# KiCad board vme-wren.kicad_pcb (continued)
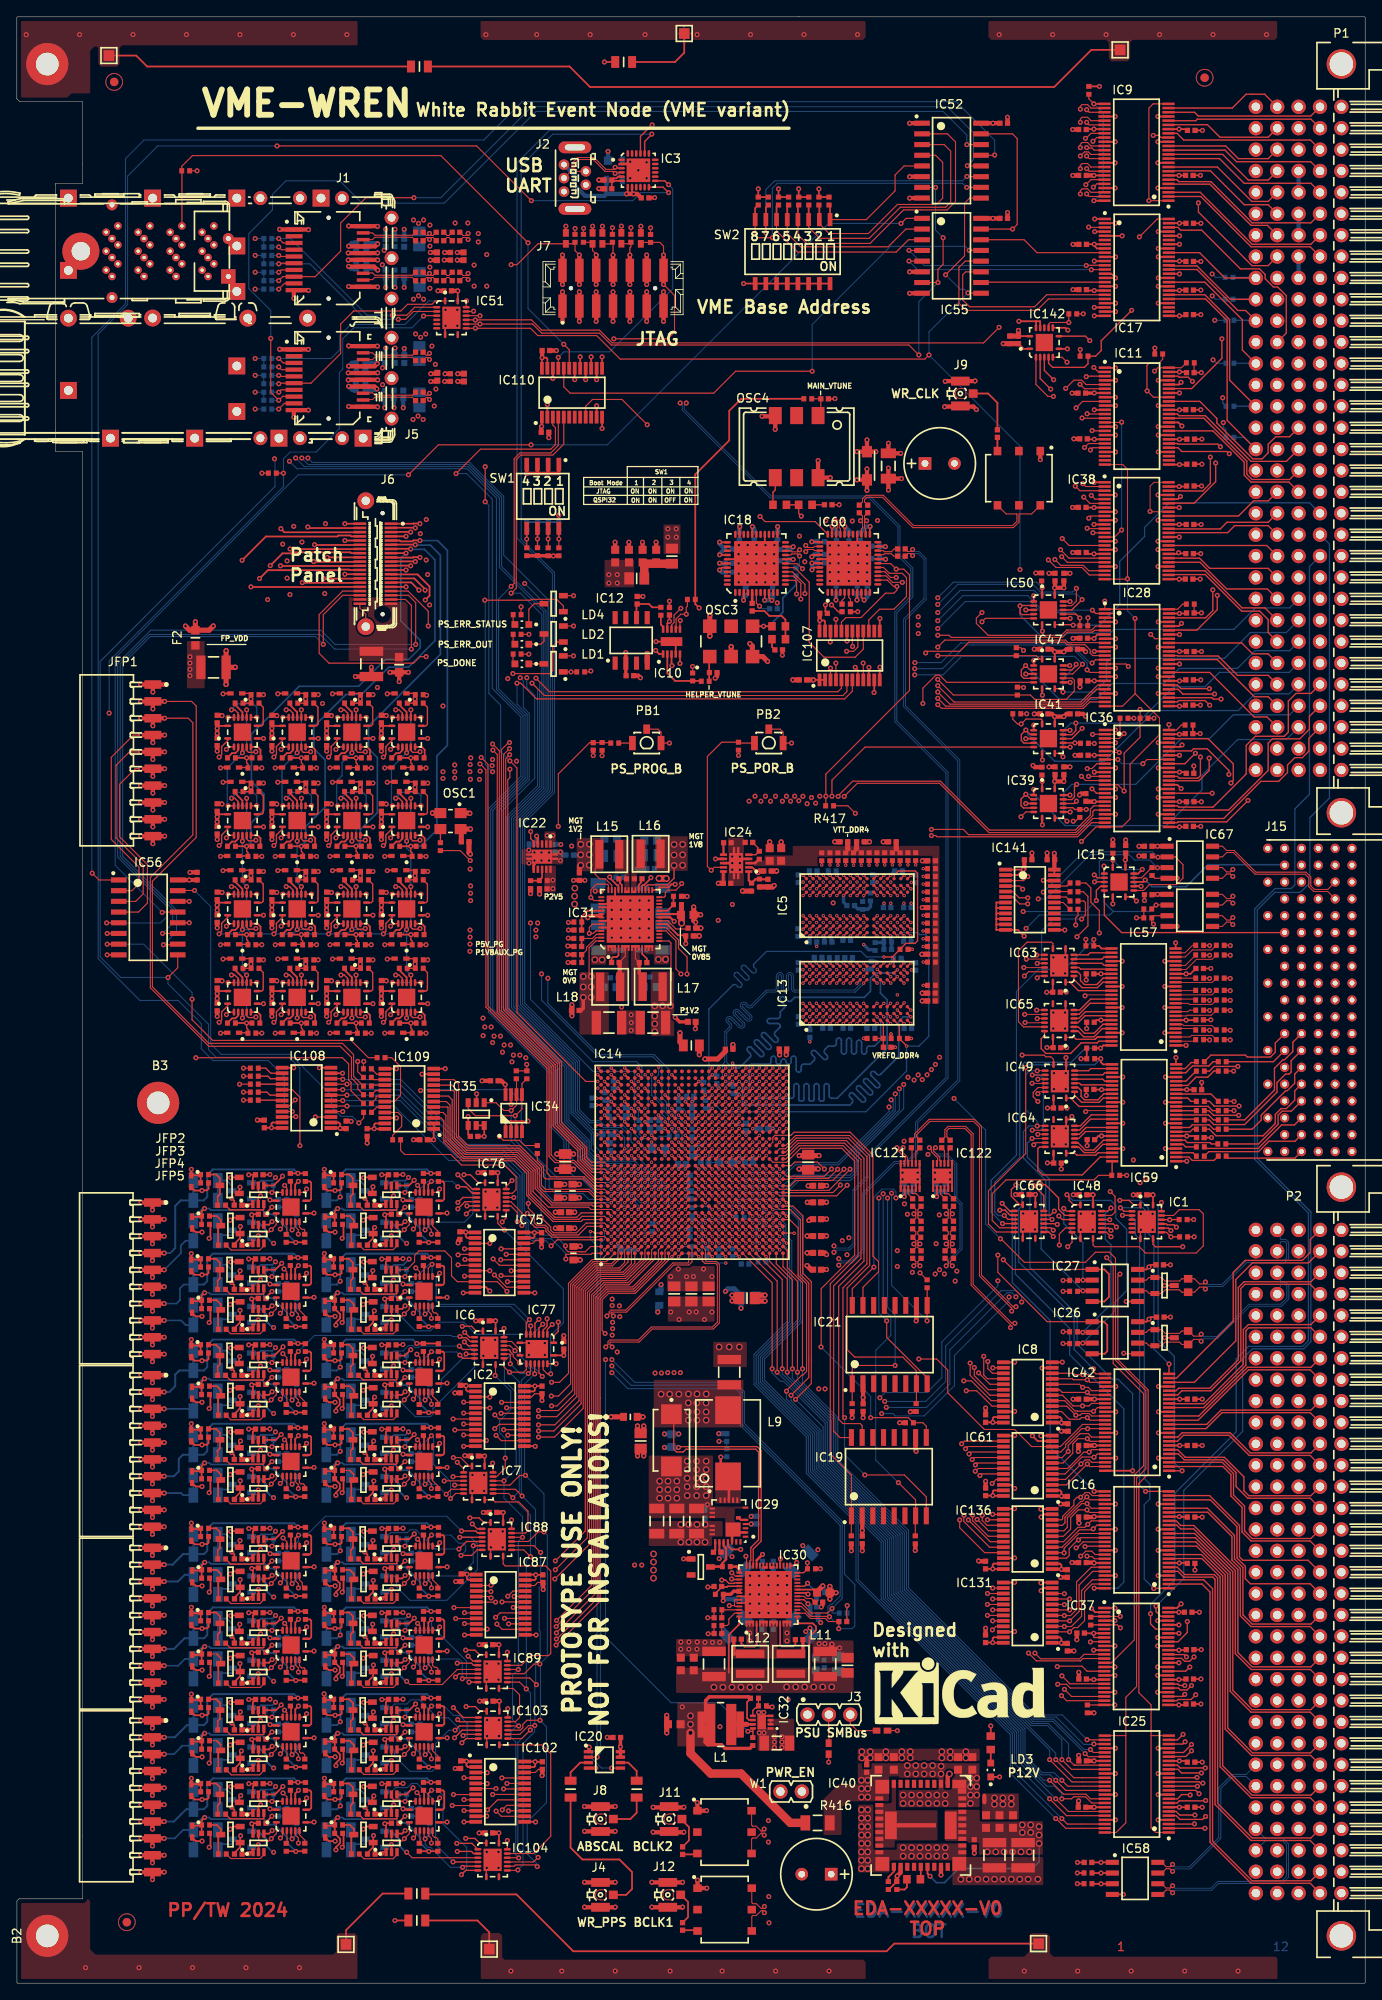
[diagram p0: board, top side]
## Routing (per net, layer and track width the routed paths; a pad name or vN(x,y) marks a point on that pad's centre or on a via; arc(x,y) is an arc through that point) (continued)
GNDA: length 5.6
  Top Layer w0.2: R165.1 103.56,11.12 R100.1
  Top Layer w0.5: R165.1 104.5,12.68 v2(104.56,12.74) 104.95,13.13 IC40.23 ; IC40.2 110.55,24.64 v4(110.75,24.84) ; IC40.29 v2(109.75,12.84)
P0V85: length 84.5
  Top Layer w0.15: C273.1 78.01,67.28 78.01,63.4 78.35,63.07 79.14,63.07 79.47,63.4 87.75,63.4 88.09,63.06 88.09,52.64 87.16,51.71 87.16,50.2 87.05,50.1 IC30.41
  Top Layer w0.18: v2(84.89,47.99) 85.04,47.99 85.1,47.93 IC30.45
  Top Layer w0.2: 77,95.07 IC14.L12 ; IC14.U14 82.58,96.67 ; IC14.W16 84.18,99.06 ; 77,93.47 IC14.L10 ; IC14.AA16 85.78,99.06 ; IC14.U15 82.58,98.26 ; IC14.AA20 85.78,102.26 ; IC14.V14 83.38,96.67 ; IC14.V10 83.38,93.47 ; IC14.R14 80.98,96.67 ; IC14.AA18 85.78,100.66 ; v1(79.4,96.67) IC14.P14 ; IC14.W15 84.18,98.26 ; IC14.V17 83.38,99.86 ; IC14.T11 81.78,94.27 ; IC14.R11 80.98,94.27 ; IC14.Y15 84.98,98.26 ; 77.8,93.47 IC14.M10 ; IC14.Y17 84.98,99.86 ; 77.8,94.27 IC14.M11 ; IC14.AA17 85.78,99.86 ; 77.8,92.67 IC14.M9 ; 78.6,95.87 IC14.N13 ; IC14.R10 80.98,93.47 ; 76.2,93.47 IC14.K10 ; IC14.T15 81.78,98.26 ; IC14.W17 84.18,99.86 ; IC14.V18 83.38,100.66 ; IC14.AB16 86.58,99.06 ; 79.4,98.26 IC14.P15 ; IC14.V16 83.38,99.06 ; IC14.V12 83.38,95.07 ; 79.4,93.47 IC14.P10 ; IC14.AA15 85.78,98.26 ; IC14.AA21 85.78,103.06 ; 77,94.27 IC14.L11 ; 77.8,95.07 IC14.M12 ; IC14.Y19 84.98,101.46 ; 78.6,94.27 IC14.N11 ; IC14.V11 83.38,94.27 ; 78.6,98.26 IC14.N15 ; IC14.U10 82.58,93.47
  Top Layer w0.4: 66.13,94.84 66.14,94.85
  Top Layer w0.6: C40.2 v2(74.36,67.24) ; v2(73.71,66.15) 73.71,65.55 73.99,65.28 C81.2 74.18,65.28 74.45,65.55 v2(74.45,66.15) ; v2(66.11,98.45) C34.2 v2(64.13,98.45) ; 66.14,94.85 v2(66.81,94.85)
  L3 w0.15: v2(83.36,65.26) 83.97,65.26 84.41,64.81 84.41,48.05 84.48,47.99 v2(84.89,47.99)
  Bottom Layer w0.125: C39.2 79.45,96.72 v1(79.4,96.67)
  Bottom Layer w0.4: v1(80.2,102.26) 80.19,102.27 C82.2 ; v1(87.39,101.46) C80.2 ; v1(79.4,96.67) 79.4,97.22 C39.2 ; v1(79.39,93.46) 79.56,93.29 79.9,93.29 C86.2 ; C41.2 86.48,97.47 85.79,98.16 v1(85.79,98.26)
  Bottom Layer w0.6: C271.1 83.38,65.23 v2(83.36,65.26) ; v2(76.91,65.21) v2(78.6,65.21)
  vias: v1(76.19,93.46) v1(76.99,95.06) v1(76.99,94.26) v1(76.99,93.46) v1(77.79,95.06) v1(77.79,94.26) v1(77.79,93.46) v1(77.79,92.66) v1(78.59,98.26) v1(78.59,95.86) v1(78.59,94.26) v1(79.39,98.26) v1(80.99,96.66) v1(80.99,94.26) v1(80.99,93.46) v1(81.79,98.26) v1(81.79,94.26) v1(82.59,98.26) v1(82.59,96.66) v1(82.59,93.46) v1(83.39,100.66) v1(83.39,99.86) v1(83.39,99.06) v1(83.39,96.66) v1(83.39,95.06) v1(83.39,94.26) v1(83.39,93.46) v1(84.19,99.86) v1(84.19,99.06) v1(84.19,98.26) v1(84.99,101.46) v1(84.99,99.86) v1(84.99,98.26) v1(85.79,103.06) v1(85.79,102.26) v1(85.79,100.66) v1(85.79,99.86) v1(85.79,99.06) v1(86.59,99.06) v2(77.65,83.89) v2(78.55,84.79) v2(79.53,83.88) v2(80.35,83.89) v2(81.55,84.79) v2(82.55,83.89) v4(76.51,69.94) v4(77.53,69.94) v4(78.63,69.94) v4(79.76,69.95) v4(79.74,68.89) v4(79.75,67.83) v4(79.75,66.84) v4(80.78,69.95) v4(80.76,68.89) v4(80.77,67.83) v4(80.77,66.84) v4(81.87,69.95) v4(81.86,68.89) v4(81.86,67.83) v4(81.86,66.84)
P1V2: length 56.3
  Top Layer w0.125: IC31.15 77.45,123.74 77.69,123.5 77.69,119.04
  Top Layer w0.15: v1(98.18,129.14) IC5.G7 ; v1(97.36,119.54) IC13.F8 ; v1(94.18,131.54) IC5.B9 ; v1(99.78,131.54) IC5.J9 ; v1(99.76,119.54) IC13.J8 ; v1(99.76,114.74) IC13.J2 ; v1(93.38,131.54) IC5.A9 ; v1(93.36,113.94) IC13.A1 ; IC13.L9 v1(102.16,121.14) ; v1(94.98,124.34) IC5.C1 ; v1(97.38,125.14) IC5.F2 ; v1(98.18,131.54) IC5.G9 ; v1(98.16,113.94) IC13.G1 ; IC13.L1 v1(102.16,113.94) ; v1(94.18,126.74) IC5.B3 ; v1(98.18,124.34) IC5.G1 ; v1(97.38,129.94) IC5.F8 ; IC13.R1 v1(105.36,113.94) ; IC5.L9 v1(102.18,131.54) ; v1(93.38,124.34) IC5.A1 ; IC5.T9 v1(106.18,131.54) ; v1(95.78,124.34) IC5.D1 ; v1(94.16,116.34) IC13.B3 ; v1(99.78,129.94) IC5.J8 ; v1(95.76,121.14) IC13.D9 ; v1(99.76,121.14) IC13.J9 ; IC5.R1 v1(105.38,124.34) ; v1(99.76,113.94) IC13.J1 ; v1(99.78,124.34) IC5.J1 ; v1(95.76,113.94) IC13.D1 ; v1(98.16,118.74) IC13.G7 ; IC5.L1 v1(102.18,124.34) ; v1(93.36,121.14) IC13.A9 ; v1(98.16,121.14) IC13.G9 ; IC13.T9 v1(106.16,121.14) ; v1(97.36,114.74) IC13.F2 ; v1(94.16,121.14) IC13.B9 ; v1(94.96,113.94) IC13.C1 ; v1(95.78,131.54) IC5.D9 ; v1(99.78,125.14) IC5.J2
  Top Layer w0.2: IC14.V25 83.38,106.26 ; 87.62,132.21 87.34,132.49 IC24.2 ; IC14.AB22 86.58,103.86 ; IC14.AF24 89.78,105.46 ; 79.4,104.66 IC14.P23 ; IC14.T24 81.78,105.46 ; IC14.AD23 88.18,104.66 ; IC14.Y26 84.98,107.06
  Top Layer w0.3: v3(88,131.87) 87.96,131.87 87.62,132.21
  Top Layer w0.4: R113.2 v1(106.32,122.75) ; R44.1 100.98,112.18 v1(100.55,112.18) ; 91.38,110.67 91.47,110.75
  Top Layer w0.6: v2(86.19,129.69) 86.21,129.67 R125.2 ; v2(91.38,110.23) 91.38,110.67 ; v3(88,131.87) 88.18,132.04 C135.2 ; 85.04,110.91 v2(85.04,111.44)
  Bottom Layer w0.4: v1(95.76,113.94) 95.76,113.43 C184.2 ; v1(102.18,131.54) 101.69,131.54 C181.2 ; v1(105.34,128.22) 105.34,127.74 C178.2 ; C195.2 98.23,121.65 98.23,121.2 v1(98.16,121.14) ; 83.24,106.41 v1(83.39,106.26) 83.24,106.41 ; 83.24,106.41 83.24,106.7 C94.2 ; C200.2 98.18,123.88 v1(98.18,124.34) ; v1(106.18,131.54) 106.73,131.54 C198.2 ; v1(102.98,128.22) 102.98,127.77 C179.2 ; C183.2 105.36,113.36 v1(105.36,113.94) ; v1(98.16,113.94) 98.16,113.42 C205.2 ; C175.2 101.98,121.32 v1(102.16,121.14) ; C204.2 92.91,113.94 v1(93.36,113.94) ; v1(106.16,121.14) 106.72,121.14 C182.2 ; v1(105.38,124.34) 105.38,123.73 C199.2 ; 81.68,105.93 81.68,105.57 v1(81.79,105.46) ; C202.2 95.69,121.7 95.69,121.2 v1(95.76,121.14) ; v1(79.39,104.66) 79.45,104.72 79.45,105.26 C93.2 ; v1(93.36,121.14) 92.86,121.14 C203.2 ; C201.2 95.87,123.66 95.87,124.25 v1(95.78,124.34) ; C185.2 101.98,113.46 101.98,113.75 v1(102.16,113.94) ; v1(93.38,124.34) 92.82,124.34 C194.2 ; R119.1 101.84,122.7 101.19,122.7 v1(100.57,123.32) ; v1(98.18,129.14) 98.18,128.34 C99.2 ; v1(93.38,131.54) 92.85,131.54 C174.2 ; 84.99,106.49 v1(84.99,107.06) 84.99,106.56 C92.2 ; C180.2 94.18,132.02 v1(94.18,131.54)
  vias: v1(86.59,103.86) v1(88.19,104.66) v1(89.79,105.46) v4(75.76,116.04) v4(75.76,114.83) v4(75.76,113.91) v4(75.77,112.97) v4(76.7,116.04) v4(77.62,116.04)
P1V8: length 220
  Top Layer w0.125: v2(107.26,84.34) 108.09,83.51 R15.2 ; R226.2 R169.2 60.57,109.08 v2(60.55,109.09)
  Top Layer w0.2: C492.1 27.96,28.99 v2(27.9,28.93) 28.05,28.78 IC106.6 ; 74.6,89.47 IC14.H5 ; 71.4,87.87 IC14.D3 ; IC34.8 58.04,106.65 v2(58,106.69) 58.05,106.74 ; 72.2,90.27 IC14.E6 ; IC16.42 127.95,49.89 v2(127.95,49.89) ; IC43.6 43.83,95.67 C172.1 43.34,95.99 v2(43.34,95.98) ; v2(27.54,85.98) 27.54,85.99 C393.1 28.03,85.67 IC68.6 ; IC60.40 94.71,168.09 v2(94.43,167.81) ; IC141.1 119.53,132.21 v2(119.55,132.24) 118.88,131.56 117.41,131.56 ; IC108.2 38.23,102.19 38.4,102.01 v2(38.4,101.51) 38.38,101.54 IC108.1 ; IC14.AE16 88.98,99.06 ; IC91.6 43.85,49.08 v2(43.7,49.23) 43.76,49.29 C437.1 ; v2(96.83,172.96) 96.8,172.93 IC60.32 ; 75.4,87.87 IC14.J3 ; IC120.6 43.83,33.37 C510.1 43.35,33.68 v2(43.35,33.68) ; C420.1 43.75,71.09 v2(43.69,71.03) 43.84,70.88 IC82.6 ; 73.8,99.86 IC14.G17 ; IC61.1 124.04,57.86 v2(124.06,57.84) 124.06,58.34 123.89,58.51 IC61.2 ; IC100.6 43.85,39.08 v2(43.7,39.23) 43.76,39.29 C454.1 ; IC14.AG7 90.58,91.07 ; C351.2 v2(55.5,100.54) IC35.6 IC35.5 ; v2(27.55,33.68) 27.55,33.68 C493.1 28.03,33.37 IC111.6 ; C280.1 27.95,81.29 v2(27.89,81.23) 28.04,81.08 IC54.6 ; IC109.2 IC109.1 v2(49.5,100.14) 49.5,100.05 49.53,100.03 ; IC117.6 43.83,23.37 C505.1 43.35,23.68 v2(43.35,23.68) ; IC79.6 28.04,70.88 v2(27.89,71.03) 27.95,71.09 C415.1 ; IC33.6 43.84,91.08 v2(43.69,91.23) 43.75,91.29 C170.1 ; v2(27.55,23.68) 27.55,23.68 C498.1 28.03,23.37 IC114.6 ; v2(127.95,26.39) 127.95,26.39 IC25.31 ; IC14.W19 84.18,101.46 ; IC17.31 127.91,220.14 v2(127.91,220.14) 127.05,220.14 C138.2 ; v2(93.96,46.18) 93.81,46.33 IC30.22 ; 94.13,37.39 94.13,41.13 94.92,41.91 94.92,42.33 94.53,42.72 92.93,42.72 92.69,42.96 IC30.15 ; 71.4,100.66 IC14.D18 ; IC86.6 28.03,65.47 C426.1 27.54,65.79 v2(27.54,65.78) ; IC102.1 53.43,26.31 v2(53.4,26.34) 53.4,25.84 53.58,25.66 IC102.2 ; v2(43.35,43.98) 43.35,43.98 C455.1 43.83,43.67 IC101.6 ; IC8.2 123.89,67.21 124.06,67.04 v2(124.06,66.54) 124.04,66.56 122.96,66.56 ; IC45.6 28.04,91.08 v2(27.89,91.23) 27.95,91.29 C191.1 ; IC83.6 43.83,75.47 C421.1 43.34,75.79 v2(43.34,75.78) ; IC42.31 127.99,69.34 v2(127.99,69.34) ; IC87.1 53.49,48.51 v2(53.46,48.54) 53.46,48.04 53.64,47.86 IC87.2 ; 84.55,36.85 84.55,41.36 85.79,42.6 85.79,43.5 IC30.56 ; IC18.39 83.48,168.57 v2(83.46,168.59) ; 77.8,95.87 IC14.M13 ; IC14.AB17 86.58,99.86 ; IC18.40 83.74,168.07 v2(83.46,167.79) ; IC107.2 IC107.1 v2(94.6,154.74) ; IC46.6 28.03,95.67 C192.1 27.54,95.99 v2(27.54,95.98) ; IC70.6 43.84,81.08 v2(43.69,81.23) 43.75,81.29 C398.1 ; IC110.1 62.35,184.86 v2(62.33,184.84) ; C448.1 27.96,49.29 v2(27.9,49.23) 28.05,49.08 IC97.6 ; IC119.6 43.85,28.78 v2(43.7,28.93) 43.76,28.99 C511.1 ; IC60.39 94.46,168.59 v2(94.43,168.61) ; IC25.42 127.95,20.89 v2(127.95,20.89) ; IC14.V19 83.38,101.46 ; IC116.6 43.85,18.78 v2(43.7,18.93) 43.76,18.99 C504.1 ; IC14.AD8 88.18,91.87 ; IC14.U20 82.58,102.26 ; C405.1 43.75,61.09 v2(43.69,61.03) 43.84,60.88 IC73.6 ; v2(27.54,75.78) 27.54,75.79 C414.1 28.03,75.47 IC80.6 ; v2(127.95,55.39) 127.95,55.39 IC16.31 ; v2(27.55,43.98) 27.55,43.98 C442.1 28.03,43.67 IC95.6 ; IC42.42 127.99,63.84 v2(127.99,63.84) ; IC136.1 124.03,49.16 v2(124.05,49.14) 124.05,49.64 123.88,49.81 IC136.2 ; v2(43.34,65.78) 43.34,65.79 C404.1 43.83,65.47 IC74.6 ; IC75.1 53.34,89.14 v2(53.31,89.16) 53.31,88.66 53.49,88.49 IC75.2 ; IC92.6 43.83,53.67 C436.1 43.35,53.98 v2(43.35,53.98) ; C443.1 27.96,39.29 v2(27.9,39.23) 28.05,39.08 IC94.6 ; IC14.U19 82.58,101.46 ; IC14.AG17 90.58,99.86 ; IC131.2 123.88,41.06 124.05,40.89 v2(124.05,40.39) 124.03,40.41 IC131.1 ; v2(127.91,214.64) 127.91,214.64 IC17.42 ; v2(92.2,170.54) 92.17,170.57 IC18.21 ; v2(103.15,170.56) 103.13,170.59 102.23,170.59 ; 77.8,98.26 IC14.M15 ; IC113.6 28.05,18.78 v2(27.9,18.93) 27.96,18.99 C499.1 ; v2(85.85,172.94) 85.83,172.91 IC18.32 ; 77.8,99.06 IC14.M16 ; IC85.6 28.04,60.88 v2(27.89,61.03) 27.95,61.09 C427.1 ; 54.46,70.91 53.39,70.91 v2(53.36,70.94) 53.36,70.44 53.54,70.26 IC2.2 ; v2(43.34,85.98) 43.34,85.99 C399.1 43.83,85.67 IC71.6 ; 78.6,99.06 IC14.N16 ; IC14.AC5 87.38,89.47 ; IC98.6 28.03,53.67 C449.1 27.55,53.98 v2(27.55,53.98) ; 77,88.67 IC14.L4 ; 77.8,96.67 IC14.M14 ; 70.58,91.07 IC14.B7
  Top Layer w0.4: C67.2 80.61,113.35 v3(80.58,113.31) ; 66.24,87.46 66.28,87.5
  Top Layer w0.5: C350.2 57.55,107.14 v2(58,106.69) ; C110.2 127.89,55.34 v2(127.95,55.39) ; C74.2 127.98,69.34 v2(127.99,69.34) ; v2(106.7,51.37) 106.7,51.36 R8.2 ; C139.2 127.91,214.64 v2(127.91,214.64) ; IC19.2 100.4,55.47 v2(100.4,53.74) C158.1 ; v2(53.36,70.94) 53.31,70.99 C21.1 ; C487.1 62.28,184.79 v2(62.33,184.84) ; v2(124.06,57.84) 124.11,57.79 C377.1 ; v2(106.1,67.84) 106.13,67.87 R14.2 ; C111.2 127.9,49.94 v2(127.95,49.89) ; v2(127.95,20.89) 127.94,20.89 C145.2 ; IC21.2 100.5,71.15 v2(100.5,69.54) C159.1 ; C526.1 124.1,40.34 v2(124.05,40.39) ; R13.2 v2(99.1,51.34) ; C489.1 v2(49.5,100.14) ; v2(53.46,48.54) 53.41,48.59 C430.1 ; C467.1 38.45,101.46 v2(38.4,101.51) ; v2(119.55,132.24) 119.65,132.34 C547.1 ; C458.1 53.35,26.39 v2(53.4,26.34) ; v2(124.05,49.14) 124.1,49.09 C536.1 ; R12.2 v2(104.85,66.54) ; v2(127.99,63.84) 127.98,63.84 C87.2 ; C147.2 127.94,26.39 v2(127.95,26.39) ; v2(124.06,66.54) 124.11,66.49 124.76,66.49 ; C408.1 53.26,89.21 v2(53.31,89.16) ; v2(99.2,67.14) R16.2
  Top Layer w0.6: v3(95.26,98.26) 94.09,98.26 C104.2 93.87,98.26 v3(92.91,98.26) ; v3(93.85,86.71) C43.2 ; v3(94.06,90.56) 94.21,90.71 C106.2 ; C46.2 94.34,84.71 v3(93.85,85.2) ; 66.28,87.5 v2(66.91,87.5) ; v2(63.95,91.54) C29.2 ; C465.1 v2(94.6,154.74) ; v3(93.85,88.71) C45.2
  L3 w0.2: v2(93.96,46.18) 93.96,46.09 94.91,45.14 94.91,41.91 93.56,40.56 v4(93.56,35.17)
  Bottom Layer w0.4: v1(80.19,90.27) R63.2 ; v1(85.78,97.46) L5.1 v1(84.23,97.46) ; 75.39,99.81 75.39,99.06 L6.1 ; v1(71.39,100.66) 70.62,100.66 C105.2 ; C107.2 71.39,87.44 v1(71.39,87.86)
  Bottom Layer w0.5: v2(85.85,172.94) 85.81,172.9 C152.2 ; C129.2 102.51,170.56 v2(103.15,170.56) ; C151.2 83.71,167.54 v2(83.46,167.79) ; v2(92.2,170.54) 91.89,170.24 C115.2 ; v2(83.46,168.59) 83.47,168.59 C149.2 ; v2(96.83,172.96) 97.34,172.45 C123.2 ; C263.2 95.03,168.61 v2(94.43,168.61) v2(94.43,167.81)
  Bottom Layer w0.6: v2(76.5,82.94) 76.5,82.29 C42.2 ; v2(84.15,82.14) 84.45,82.44 85.21,82.44 86,81.65 C44.2 v2(86,80.14)
  vias: v1(70.59,91.06) v1(72.19,90.26) v1(73.79,99.86) v1(74.59,89.46) v1(75.39,99.87) v1(75.39,87.86) v1(76.99,88.66) v1(77.79,99.06) v1(77.79,98.26) v1(77.79,96.66) v1(77.79,95.86) v1(78.59,99.06) v1(82.59,102.26) v1(82.59,101.46) v1(83.39,101.46) v1(84.19,101.46) v1(86.59,99.86) v1(87.39,89.46) v1(88.19,91.86) v1(88.99,99.06) v1(90.59,99.86) v1(90.59,91.06) v4(82.78,35.14) v4(83.85,35.14) v4(84.92,35.14) v4(85.99,35.14) v4(87.06,35.14) v4(88.14,35.14) v4(91.42,35.17) v4(92.49,35.17) v4(94.63,35.17) v4(95.71,35.17) v4(96.78,35.17)
P2V5: length 5.1
  Top Layer w0.15: IC13.R9 v1(105.36,121.14) ; v1(94.16,113.94) IC13.B1 ; IC5.R9 v1(105.38,131.54) ; v1(94.18,124.34) IC5.B1
  Bottom Layer w0.4: C156.2 94.18,113.92 v1(94.16,113.94) ; v1(105.38,131.54) 105.26,131.65 105.26,131.94 C153.2 ; C155.2 105.12,121.58 105.12,121.38 v1(105.36,121.14) ; v1(94.18,124.34) 94.18,123.7 C150.2
  vias: v3(63.66,130.96) v3(63.66,129.96)
P3V3: length 656.7
  Top Layer w0.125: v2(68.16,155.8) 68.05,155.69 R5.2 ; v2(119.55,158.24) 119.23,158.56 R223.2 ; v2(75.26,208.42) 75.26,208.41 R46.2 ; R53.2 70.74,208.43 v2(70.74,208.43) ; v2(126.65,198.21) 126.64,198.2 R403.1 ; R54.2 72.92,208.43 v2(72.92,208.44) ; R52.2 67.29,208.33 v2(67.31,208.35) ; 59.87,157.79 v2(60.8,157.79) ; R170.2 v2(69.5,145.74) ; v2(66.3,208.34) 66.29,208.32 66.29,207.63 ; R227.1 98.56,44.78 v2(98.61,44.84) ; v2(119.55,153.84) 119.51,153.88 R263.2 ; R168.2 v2(85.7,145.77) ; v2(125.46,137.96) 125.74,137.96 126.19,138.42 R189.2 ; R3.2 v2(60.81,160.15) ; v2(127.2,162.11) 127.18,162.09 R329.2 ; R316.2 v2(29.11,179.29) ; R204.2 127.94,147.21 v2(127.96,147.19) ; R101.2 v2(119.93,150.71) ; R4.2 v2(59.88,163.42)
  Top Layer w0.15: R92.2 v2(135.04,150.19) ; v2(127.89,41.54) 127.89,41.11 127.96,41.04 IC37.8 ; R117.2 124.26,77.34 v2(124.25,77.34) ; R104.2 v2(139.76,90.66) ; v2(93.96,45.04) 93.47,45.53 IC30.20 ; R69.2 124.26,83.43 v2(124.25,83.44) ; R171.2 v2(131.8,95.91) ; v2(138.1,63.84) C72.2 ; R89.2 v2(132.66,150.19)
  Top Layer w0.2: C226.2 139.91,100.59 v2(138.94,100.59) 138.94,100.59 IC59.7 ; IC43.1 43.38,92.51 v2(43.21,92.35) ; v2(41.14,70.38) 41.45,70.7 D23.2 ; IC15.14 131.65,133.34 v2(131.64,133.36) 131.69,133.41 ; IC11.42 138.07,188.81 v2(138.08,188.8) ; D11.2 41.45,90.9 v2(41.14,90.58) ; IC9.8 128.28,205.97 127.96,206.28 v2(127.96,206.47) ; IC38.11 127.93,173.2 v2(127.93,173.2) ; 127,159.64 127.02,159.66 v2(127.94,159.66) 127.94,159.72 128.34,160.13 IC28.7 ; v2(27.41,92.35) 27.58,92.51 IC46.1 ; IC28.18 127.96,154.63 v2(127.96,154.63) 127.14,154.63 127.03,154.74 ; IC28.35 138.07,156.63 v2(138.08,156.62) ; 23.79,128.19 23.89,128.29 IC134.14 ; 138.84,158.08 138.8,158.12 v2(138.08,158.12) 138.07,158.13 IC28.38 ; v2(138.05,171.7) 138.04,171.7 136.79,171.7 ; v2(138,42.54) 138,42.54 IC37.44 ; IC107.23 95.98,161.68 95.86,161.8 v2(95.36,161.8) 95.33,161.77 IC107.24 ; 138.84,191.29 138.83,191.3 v2(138.08,191.3) 138.07,191.31 IC11.47 ; v2(138.08,160.12) 138.07,160.13 IC28.42 ; C216.2 134.7,79.08 v2(134.45,78.83) 134.16,78.54 IC26.8 ; IC58.1 128.77,14.34 v2(128.76,14.34) C223.2 ; v2(92.85,213.04) R358.1 R371.1 ; IC36.18 127.96,140.29 v2(127.96,140.29) 127.14,140.29 127.03,140.4 ; IC11.35 137.94,185.31 v2(138.36,184.89) ; D36.2 25.66,18.59 v2(25.35,18.28) ; IC37.41 135.49,41.04 v2(135.49,41.04) ; IC127.14 36.89,138.79 36.79,138.69 ; 135.35,85.29 134.7,85.29 v2(134.45,85.04) 134.16,84.74 IC27.8 ; 136.79,176.2 137.88,176.2 v2(138.19,176.51) ; v2(25.4,33.33) 25.44,33.37 D67.2 ; IC2.23 61.4,70.26 61.52,70.38 v2(61.52,70.88) ; v2(41.15,28.28) 41.46,28.59 D40.2 ; 138.84,140.34 138.78,140.28 v2(138.08,140.28) 138.07,140.29 IC36.31 ; C163.1 43.25,87.63 v2(43.29,87.67) 43.47,87.85 IC33.1 ; v2(138.08,206.46) 138.07,206.47 IC9.42 ; IC74.1 43.38,62.31 v2(43.21,62.15) ; v2(138.94,97.59) 138.94,97.59 IC59.1 ; 127,169.81 127.11,169.7 v2(127.93,169.7) 127.93,169.7 IC38.18 ; IC36.35 137.83,142.29 v2(138.27,141.84) ; D61.2 41.23,53.67 v2(41.2,53.63) ; v2(115.9,40.44) 115.9,40.94 116.02,41.06 IC131.23 ; v2(115.9,40.44) 115.92,40.41 IC131.24 ; v2(115.9,40.44) C525.1 ; IC9.47 138.07,208.97 v2(138.08,208.96) 138.83,208.96 C55.1 ; 42.21,75.47 41.23,75.47 v2(41.19,75.43) ; IC9.31 138.05,200.97 v2(138.08,200.99) 138.11,201.02 C22.2 ; 138.77,44.03 138.75,44.04 v2(138,44.04) 138,44.04 IC37.47 ; 77.8,99.86 IC14.M17 ; IC72.14 45.96,62.7 v2(45.86,62.8) ; D35.2 25.66,28.59 v2(25.35,28.28) ; C495.1 27.46,15.33 v2(27.5,15.37) 27.68,15.55 IC113.1 ; IC68.1 27.58,82.51 v2(27.41,82.35) ; R343.1 R330.1 v2(88.05,213.04) ; IC92.1 43.39,50.51 v2(43.22,50.34) ; 138.84,186.76 138.8,186.8 v2(138.08,186.8) 138.07,186.81 IC11.38 ; v2(41.14,80.58) 41.45,80.9 D16.2 ; IC123.18 138.86,119.84 v2(138.86,119.84) 139.39,119.84 C373.1 ; v2(128.57,225.2) 128.57,225.21 R99.2 ; IC136.24 115.92,49.16 v2(115.9,49.19) ; v2(30.25,101.57) 30.27,101.54 IC108.24 ; v2(30.25,101.57) C466.1 ; v2(30.25,101.57) 30.25,102.07 30.37,102.19 IC108.23 ; 43.29,128.19 43.39,128.29 IC133.14 ; 126.96,36.16 127.07,36.04 v2(127.89,36.04) 127.89,36.04 IC37.18 ; IC123.7 138.86,114.34 v2(138.86,114.34) 139.99,114.34 C370.2 ; v2(25.4,23.33) 25.44,23.37 D68.2 ; IC54.1 27.67,77.85 v2(27.49,77.67) 27.45,77.63 C209.1 ; C422.1 27.45,57.43 v2(27.49,57.47) 27.67,57.65 IC85.1 ; 26.41,65.47 25.43,65.47 v2(25.39,65.43) ; 30.29,149.19 30.39,149.29 IC138.14 ; C227.2 139.8,106.09 v2(138.94,106.09) 138.94,106.09 IC59.18 ; 127.03,188.79 127.04,188.81 v2(127.96,188.81) 127.96,188.81 IC11.7 ; v2(27.42,30.04) 27.59,30.21 IC111.1 ; v2(41.14,60.38) 41.45,60.7 D19.2 ; v2(27.41,62.15) 27.58,62.31 IC86.1 ; v2(61.47,89.11) 61.47,88.61 61.35,88.49 IC75.23 ; v2(61.47,89.11) 61.44,89.14 IC75.24 ; v2(61.47,89.11) C407.1 ; v2(122.31,117.65) 123.01,117.65 C388.2 123.02,118.84 ; v2(25.34,90.58) 25.65,90.9 D12.2 ; 36.79,117.69 36.89,117.79 IC124.14 ; 43.29,149.19 43.39,149.29 IC139.14 ; v2(41.15,38.58) 41.46,38.89 D32.2 ; 138.84,180.45 138.69,180.3 v2(138.08,180.3) 138.07,180.31 IC11.25 ; v2(61.62,48.48) 61.59,48.51 IC87.24 ; v2(61.62,48.48) C429.1 ; v2(61.62,48.48) 61.62,47.98 61.5,47.86 IC87.23 ; IC79.1 27.67,67.65 v2(27.49,67.47) 27.45,67.43 C410.1 ; v2(138.08,202.94) 138.05,202.97 IC9.35 ; 109.26,94.31 109.26,93.41 v2(109.24,93.39) ; IC28.31 138.07,154.63 v2(138.08,154.62) 138.78,154.62 138.84,154.68 ; IC110.23 63,192.88 62.88,193 v2(62.38,193) 62.35,192.97 IC110.24 ; R385.1 R372.1 v2(95.25,213.04) ; IC49.16 123.12,103.92 C219.2 v2(122.4,103.91) ; v2(108.45,12.69) 108.15,12.99 IC40.27 ; IC9.44 138.07,207.47 v2(138.08,207.46) ; IC23.14 45.96,92.9 v2(45.86,93) ; 73,96.67 IC14.F14 ; D71.2 41.23,23.37 v2(41.2,23.33) ; IC25.18 138.06,26.39 v2(138.06,26.39) 138.86,26.39 C144.2 ; v2(25.35,48.58) 25.66,48.89 D31.2 ; 43.29,138.69 43.39,138.79 IC130.14 ; C229.1 127.93,106.09 v2(128.82,106.09) IC59.31 ; C51.1 138.69,197.96 v2(138.08,197.96) 138.07,197.97 IC9.25 ; v2(25.34,60.38) 25.65,60.7 D24.2 ; IC28.47 138.07,162.63 v2(138.08,162.62) 138.83,162.62 138.84,162.61 ; D72.2 41.23,33.37 v2(41.2,33.33) ; D39.2 41.46,18.59 v2(41.15,18.28) ; v2(90.45,213.04) R344.1 R357.1 ; v2(127.96,206.47) 127.96,206.47 IC9.7 ; v2(127.96,206.47) 127.04,206.47 C23.2 ; v2(138.31,161.45) 137.99,161.13 IC28.44 ; IC28.11 127.96,158.13 v2(127.96,158.13) ; 138.84,183.36 138.78,183.3 v2(138.08,183.3) 138.07,183.31 IC11.31 ; IC116.1 43.48,15.55 v2(43.3,15.37) 43.26,15.33 C502.1 ; IC104.16 v2(57.25,17.84) ; IC137.14 23.89,149.29 23.79,149.19 ; IC42.7 138.1,63.84 v2(138.1,63.84) ; IC38.7 127.93,175.2 v2(127.93,175.2) 127.01,175.2 127,175.18 ; 138.81,173.15 138.77,173.2 v2(138.05,173.2) 138.04,173.2 136.79,173.2 ; v2(45.87,40.99) 45.97,40.89 IC99.14 ; v2(30.07,40.99) 30.17,40.89 IC93.14 ; IC51.16 v2(52.36,200.93) ; D62.2 25.44,43.67 v2(25.4,43.63) ; 30.29,117.69 30.39,117.79 IC125.14 ; v2(27.41,72.15) 27.58,72.31 IC80.1 ; 126.96,41.53 126.97,41.54 v2(127.89,41.54) 127.89,41.54 IC37.7 ; R148.2 126.96,123.93 v2(126.95,123.94) ; C394.1 43.25,77.63 v2(43.29,77.67) 43.47,77.85 IC70.1 ; IC9.38 138.07,204.47 v2(138.08,204.46) 138.8,204.46 C54.2 ; IC36.44 138.15,146.79 v2(138.38,147.02) ; IC120.1 43.39,30.21 v2(43.22,30.04) ; 43.85,35.85 43.48,35.85 v2(43.3,35.67) 43.26,35.63 C451.1 ; v2(128.75,119.84) 128.75,119.84 IC123.31 ; v2(128.75,119.84) 127.91,119.84 C371.2 ; v2(128.75,119.84) 127.81,119.84 127.81,119.85 ; v2(127.89,39.54) 127.89,39.54 IC37.11 ; v2(115.9,57.89) 115.93,57.86 IC61.24 ; v2(115.9,57.89) C376.1 ; v2(115.9,57.89) 115.9,58.39 116.03,58.51 IC61.23 ; IC45.1 27.67,87.85 v2(27.49,87.67) 27.45,87.63 C177.1 ; v2(42.45,101.45) 42.45,101.95 42.57,102.08 IC109.23 ; v2(42.45,101.45) 42.47,101.43 IC109.24 ; v2(42.45,101.45) C488.1 ; IC77.16 v2(64.95,74.54) ; IC73.1 43.47,57.65 v2(43.29,57.47) 43.25,57.43 C402.1 ; IC135.14 30.39,128.29 30.29,128.19 ; C432.1 43.26,45.63 v2(43.3,45.67) 43.48,45.85 43.85,45.85 ; 138.84,151.77 138.69,151.62 v2(138.08,151.62) 138.07,151.63 IC28.25 ; IC9.18 127.96,200.97 v2(127.96,200.97) 127.14,200.97 C50.1 ; C109.2 138.48,55.34 138.43,55.39 v2(138.06,55.39) 138.06,55.39 IC16.18 ; v2(25.35,38.58) 25.66,38.89 D28.2 ; 60.26,70.91 61.49,70.91 v2(61.52,70.88) ; 123.09,97.39 v2(122.39,97.39) ; v2(27.42,20.04) 27.59,20.21 IC114.1 ; 74.6,102.26 IC14.H20 ; IC36.42 138.07,145.79 v2(138.08,145.78) ; C73.2 v2(138.1,69.34) 138.1,69.34 IC42.18 ; v2(138.05,175.2) 138.04,175.2 136.79,175.2 ; IC128.14 30.39,138.79 30.29,138.69 ; IC69.14 45.96,82.9 v2(45.86,83) ; 138.81,169.75 138.06,169.75 v2(137.97,169.84) 137.83,169.7 136.79,169.7 ; IC37.42 138,41.54 v2(138,41.54) ; IC36.38 138.07,143.79 v2(138.08,143.78) 138.8,143.78 138.84,143.74 ; IC112.14 30.17,20.59 v2(30.07,20.69) ; IC90.14 45.97,50.89 v2(45.87,50.99) ; IC37.35 138,38.04 v2(138,38.04) ; IC36.7 127.96,145.79 v2(127.96,145.79) 127.04,145.79 127.03,145.77 ; IC142.14 118.97,195.55 C548.1 ; IC102.23 61.44,25.66 61.56,25.79 v2(61.56,26.29) ; D27.2 41.46,48.89 v2(41.15,48.58) ; v2(115.9,49.19) 115.9,49.69 116.02,49.81 IC136.23 ; v2(115.9,49.19) C535.1 ; IC140.14 36.89,149.29 36.79,149.19 ; v2(41.19,95.63) 41.23,95.67 D43.2 ; v2(137.66,109.89) 137.66,109.12 IC59.24 ; IC14.AG12 90.58,95.07 ; D44.2 25.43,95.67 v2(25.39,95.63) ; 138.84,137.43 138.69,137.28 v2(138.08,137.28) 138.07,137.29 IC36.25 ; v2(45.87,30.69) 45.97,30.59 IC118.14 ; IC59.42 v2(128.82,100.59) 128.46,100.59 C228.1 ; IC132.14 36.89,128.29 36.79,128.19 ; v2(137.62,123.52) 137.62,122.86 IC123.24 ; v2(138.26,190.07) 138,189.81 IC11.44 ; v2(41.2,43.63) 41.23,43.67 D66.2 ; 123.3,158.12 v2(123.25,158.07) 123.26,158.05 IC47.14 ; v2(25.34,70.38) 25.65,70.7 D20.2 ; IC7.16 v2(55.55,62.59) ; C389.2 123.12,97.39 IC64.16 ; IC44.14 30.16,92.9 v2(30.06,93) ; IC117.1 43.39,20.21 v2(43.22,20.04) ; IC29.22 84.46,52.37 84.46,51.89 84.85,51.5 v2(85.96,51.5) ; C124.2 138.88,220.13 v2(138.03,220.13) 138.03,220.14 IC17.18 ; v2(43.21,82.35) 43.38,82.51 IC71.1 ; 28.05,45.85 27.68,45.85 v2(27.5,45.67) 27.46,45.63 C445.1 ; C143.2 IC25.7 138.06,20.89 v2(138.06,20.89) ; v2(41.19,85.63) 41.23,85.67 D50.2 ; IC56.16 v2(20.48,130.98) 20.5,131.01 ; v2(126.38,109.76) R186.2 R133.2 ; IC89.16 v2(57.25,40.19) ; IC1.16 v2(134.94,93.6) ; IC96.14 30.17,50.89 v2(30.07,50.99) ; 69.8,95.86 IC14.B12 ; 138.77,33.19 138.62,33.04 v2(138,33.04) 138,33.04 IC37.25 ; IC50.14 123.26,165.65 v2(123.25,165.67) 123.3,165.72 ; v2(43.22,40.34) 43.39,40.51 IC101.1 ; 79.44,124.42 78.53,124.42 77.21,125.74 IC31.20 ; 138.77,39.5 138.72,39.54 v2(138,39.54) 138,39.54 IC37.38 ; 28.05,35.85 27.68,35.85 v2(27.5,35.67) 27.46,35.63 C440.1 ; IC37.31 138,36.04 v2(138,36.04) 138.71,36.04 138.77,36.1 ; v2(25.4,53.63) 25.44,53.67 D65.2 ; IC14.AA14 85.78,96.67 ; IC48.16 v2(127.81,93.61) ; v2(122.34,111.09) 123.04,111.09 123.05,111.1 123.05,112.28 ; v2(115.9,66.59) 115.9,67.09 116.03,67.21 IC8.23 ; v2(115.9,66.59) C378.1 ; v2(115.9,66.59) 115.93,66.56 117.16,66.56 ; v2(25.39,85.63) 25.43,85.67 D47.2 ; v2(27.42,40.34) 27.59,40.51 IC95.1 ; C507.1 43.26,25.33 v2(43.3,25.37) 43.48,25.55 IC119.1 ; IC123.42 128.75,114.34 v2(128.75,114.34) 128.21,114.34 C372.1 ; IC129.14 23.89,138.79 23.79,138.69 ; v2(27.42,50.34) 27.59,50.51 IC98.1 ; 77,101.46 IC14.L19 ; C125.2 138.79,214.63 v2(138.03,214.63) 138.03,214.64 IC17.7 ; C416.1 43.25,67.43 v2(43.29,67.47) 43.47,67.65 IC82.1 ; v2(30.06,72.8) 30.16,72.7 IC78.14 ; 136.79,177.7 138.04,177.7 v2(138.05,177.7) 138.8,177.7 138.81,177.68 ; IC16.7 138.06,49.89 v2(138.06,49.89) 138.96,49.89 C88.2 ; v2(127.96,204.47) 127.96,204.47 IC9.11 ; v2(61.52,70.88) C20.1 ; v2(43.21,72.15) 43.38,72.31 IC83.1 ; 105.41,94.31 105.41,93.41 v2(105.39,93.39) ; IC11.11 127.96,186.81 v2(127.96,186.81) ; v2(45.87,20.69) 45.97,20.59 IC115.14 ; v2(138.86,111.34) 138.86,111.34 IC123.1 ; IC62.14 43.39,117.79 43.29,117.69 ; IC105.14 30.17,30.59 v2(30.07,30.69) ; C461.1 27.46,25.33 v2(27.5,25.37) 27.68,25.55 IC106.1 ; v2(30.06,62.8) 30.16,62.7 IC84.14 ; IC14.AD13 88.18,95.87 ; 127.03,183.42 127.14,183.31 v2(127.96,183.31) 127.96,183.31 IC11.18 ; 138.81,166.84 138.66,166.7 v2(138.05,166.7) 138.04,166.7 136.79,166.7 ; IC66.16 v2(120.96,93.63) ; v2(127.96,143.79) 127.96,143.79 IC36.11 ; IC76.16 v2(57.11,96.23) ; 70.6,98.26 IC14.C15 ; 79.4,100.66 IC14.P18 ; IC102.24 61.53,26.31 v2(61.56,26.29) ; IC6.16 v2(56.85,78.64) ; 42.21,65.47 41.23,65.47 v2(41.19,65.43) ; v2(25.39,75.43) 25.43,75.47 26.41,75.47 ; C457.1 v2(61.56,26.29) ; D15.2 25.65,80.9 v2(25.34,80.58) ; 123.3,150.43 v2(123.25,150.38) 123.26,150.37 IC41.14 ; IC126.14 23.89,117.79 23.79,117.69 ; IC103.16 v2(57.3,33.49) ; v2(45.86,72.8) 45.96,72.7 IC81.14 ; 72.2,94.27 IC14.E11 ; v2(30.06,83) 30.16,82.9 IC53.14 ; 123.21,131.56 IC141.24 ; 123.3,142.73 v2(123.25,142.68) 123.26,142.67 IC39.14 ; 138.84,148.27 138.83,148.28 v2(138.08,148.28) 138.07,148.29 IC36.47 ; IC14.AC10 87.38,93.47 ; IC88.16 v2(57.75,55.89)